# Allegro board S071AA-0413-20260427_Power.brd (continued)
## Routing (per net, layer and track width the routed paths; a pad name or vN(x,y) marks a point on that pad's centre or on a via; arc(x,y) is an arc through that point) (continued)
164.56,373.38 ; D115.A16 166.18,373.38 ; D115.A16 165.37,372.57 ; D109.A9 257.62,335.28 ; D109.A9 256.81,336.09 ; D109.A9 256.81,334.47 ; D109.A9 256,335.28 ; D104.A3 168.72,33.02 ; D104.A3 167.1,33.02 ; D104.A3 167.91,32.21 ; D104.A3 167.91,33.83 ; CSDPS425.B2 127.27,343.71 ; CSDPS425.B2 128.08,342.9 ; CSDPS425.B2 127.27,342.09 ; CSDPS425.B2 126.46,342.9 ; UHC430.G1_10 16.54,360.2 ; UHC430.G1_10 15.73,361.01 ; UHC430.G1_10 14.92,360.2 ; UHC430.G1_10 15.73,359.39 ; 129.81,400.51 D428.B1 ; D428.B1 129.81,402.13 ; D428.B1 129,401.32 ; D428.B1 130.62,401.32 ; 101.06,388.62 D228.B12 ; D228.B12 101.87,389.43 ; D228.B12 101.87,387.81 ; D228.B12 102.68,388.62 ; 35.83,57.61 D119.B9 ; D119.B9 35.83,59.23 ; D119.B9 35.02,58.42 ; D119.B9 36.64,58.42 ; D432.A14 23.13,404.67 ; D432.A14 23.94,403.86 ; D432.A14 23.13,403.05 ; D432.A14 22.32,403.86 ; 189.96,35.56 D104.A12 ; D104.A12 190.77,34.75 ; D104.A12 190.77,36.37 ; D104.A12 191.58,35.56 ; D106.B14 270.32,81.28 ; D106.B14 268.7,81.28 ; D106.B14 269.51,80.47 ; D106.B14 269.51,82.09 ; D110.A4 269.51,353.87 ; D110.A4 270.32,353.06 ; D110.A4 268.7,353.06 ; D110.A4 269.51,352.25 ; 164.56,327.66 D113.B16 ; D113.B16 166.18,327.66 ; D113.B16 165.37,328.47 ; D113.B16 165.37,326.85 ; 256,370.84 D111.B9 ; D111.B9 256.81,370.03 ; D111.B9 256.81,371.65 ; D111.B9 257.62,370.84 ; 23.13,387.81 D232.B14 ; D232.B14 23.13,389.43 ; D232.B14 22.32,388.62 ; D232.B14 23.94,388.62 ; 112.03,342.09 CSDPS425.B8 ; CSDPS425.B8 112.84,342.9 ; CSDPS425.B8 111.22,342.9 ; CSDPS425.B8 112.03,343.71 ; D101.A2 166.18,96.52 ; D101.A2 164.56,96.52 ; D101.A2 165.37,95.71 ; D101.A2 165.37,97.33 ; 195.85,326.85 D113.B4 ; D113.B4 196.66,327.66 ; D113.B4 195.85,328.47 ; D113.B4 195.04,327.66 ; D427.B11 105.22,381 ; D427.B11 104.41,380.19 ; D427.B11 104.41,381.81 ; D427.B11 103.6,381 ; D428.B2 128.08,398.78 ; D428.B2 126.46,398.78 ; D428.B2 127.27,397.97 ; D428.B2 127.27,399.59 ; 254.27,347.17 D110.B10 ; D110.B10 255.08,347.98 ; D110.B10 254.27,348.79 ; D110.B10 253.46,347.98 ; D124.A7 104.41,33.83 ; D124.A7 103.6,33.02 ; D124.A7 104.41,32.21 ; D124.A7 105.22,33.02 ; 264.43,34.75 D108.A12 ; D108.A12 263.62,35.56 ; D108.A12 264.43,36.37 ; D108.A12 265.24,35.56 ; 118.84,350.52 CSDPS226.C5 ; CSDPS226.C5 119.65,351.33 ; CSDPS226.C5 120.46,350.52 ; CSDPS226.C5 119.65,349.71 ; 272.05,18.24 DPS1.C15 ; DPS1.C15 272.86,19.05 ; DPS1.C15 271.24,19.05 ; DPS1.C15 272.05,19.86 ; 94.25,390.35 D228.B15 ; D228.B15 94.25,391.97 ; D228.B15 93.44,391.16 ; D228.B15 95.06,391.16 ; 114.57,380.19 D427.B7 ; D427.B7 115.38,381 ; D427.B7 113.76,381 ; D427.B7 114.57,381.81 ; 195.04,353.06 D114.A4 ; D114.A4 195.85,352.25 ; D114.A4 196.66,353.06 ; D114.A4 195.85,353.87 ; D104.B1 162.83,38.91 ; D104.B1 162.02,38.1 ; D104.B1 163.64,38.1 ; D104.B1 162.83,37.29 ; D111.A7 262.7,375.92 ; D111.A7 261.89,376.73 ; D111.A7 261.89,375.11 ; D111.A7 261.08,375.92 ; 124.73,98.25 D121.B15 ; D121.B15 124.73,99.87 ; D121.B15 123.92,99.06 ; D121.B15 125.54,99.06 ; D120.A5 26.48,33.02 ; D120.A5 25.67,32.21 ; D120.A5 25.67,33.83 ; D120.A5 24.86,33.02 ; 20.59,409.4 DPS8.C15 ; DPS8.C15 19.78,410.21 ; DPS8.C15 20.59,411.02 ; DPS8.C15 21.4,410.21 ; 117.11,331.93 CSDPS225.B6 ; CSDPS225.B6 117.92,332.74 ; CSDPS225.B6 116.3,332.74 ; CSDPS225.B6 117.11,333.55 ; D427.A14 96.79,384.35 ; D427.A14 95.98,383.54 ; D427.A14 96.79,382.73 ; D427.A14 97.6,383.54 ; D115.B1 203.47,371.65 ; D115.B1 202.66,370.84 ; D115.B1 204.28,370.84 ; D115.B1 203.47,370.03 ; 259.35,387.81 D112.B8 ; D112.B8 259.35,389.43 ; D112.B8 258.54,388.62 ; D112.B8 260.16,388.62 ; 48.17,358.45 UHC430.G2_11 ; UHC430.G2_11 49.79,358.45 ; UHC430.G2_11 48.98,357.64 ; UHC430.G2_11 48.98,359.26 ; D102.A7 178.07,74.47 ; D102.A7 178.07,72.85 ; D102.A7 177.26,73.66 ; D102.A7 178.88,73.66 ; 52.8,81.28 D118.B16 ; D118.B16 53.61,82.09 ; D118.B16 53.61,80.47 ; D118.B16 54.42,81.28 ; D104.B9 183.15,38.91 ; D104.B9 183.96,38.1 ; D104.B9 183.15,37.29 ; D104.B9 182.34,38.1 ; D104.B8 180.61,41.45 ; D104.B8 180.61,39.83 ; D104.B8 181.42,40.64 ; D104.B8 179.8,40.64 ; 172.18,73.66 D102.A5 ; D102.A5 173.8,73.66 ; D102.A5 172.99,74.47 ; D102.A5 172.99,72.85 ; D107.B1 237.3,58.42 ; D107.B1 236.49,59.23 ; D107.B1 235.68,58.42 ; D107.B1 236.49,57.61 ; 185.69,331.93 D113.A8 ; D113.A8 184.88,332.74 ; D113.A8 185.69,333.55 ; D113.A8 186.5,332.74 ; 53.61,60.15 D119.B16 ; D119.B16 54.42,60.96 ; D119.B16 52.8,60.96 ; D119.B16 53.61,61.77 ; 43.45,80.47 D118.B12 ; D118.B12 43.45,82.09 ; D118.B12 44.26,81.28 ; D118.B12 42.64,81.28 ; D119.A14 48.53,56.69 ; D119.A14 48.53,55.07 ; D119.A14 47.72,55.88 ; D119.A14 49.34,55.88 ; 28.21,377.65 D431.B12 ; D431.B12 27.4,378.46 ; D431.B12 29.02,378.46 ; D431.B12 28.21,379.27 ; D122.B14 123,81.28 ; D122.B14 122.19,82.09 ; D122.B14 121.38,81.28 ; D122.B14 122.19,80.47 ; D116.B1 203.47,391.97 ; D116.B1 202.66,391.16 ; D116.B1 204.28,391.16 ; D116.B1 203.47,390.35 ; D431.B14 23.13,379.27 ; D431.B14 22.32,378.46 ; D431.B14 23.94,378.46 ; D431.B14 23.13,377.65 ; 264.43,387.81 D112.B6 ; D112.B6 263.62,388.62 ; D112.B6 265.24,388.62 ; D112.B6 264.43,389.43 ; 185.69,34.75 D104.A10 ; D104.A10 184.88,35.56 ; D104.A10 185.69,36.37 ; D104.A10 186.5,35.56 ; D122.B12 117.11,82.09 ; D122.B12 117.92,81.28 ; D122.B12 116.3,81.28 ; D122.B12 117.11,80.47 ; D120.A13 45.99,33.83 ; D120.A13 46.8,33.02 ; D120.A13 45.99,32.21 ; D120.A13 45.18,33.02 ; D104.B11 189.04,38.1 ; D104.B11 188.23,37.29 ; D104.B11 188.23,38.91 ; D104.B11 187.42,38.1 ; D232.A17 15.51,397.05 ; D232.A17 14.7,396.24 ; D232.A17 15.51,395.43 ; D232.A17 16.32,396.24 ; D123.A3 95.06,53.34 ; D123.A3 93.44,53.34 ; D123.A3 94.25,54.15 ; D123.A3 94.25,52.53 ; 165.37,34.75 D104.A2 ; D104.A2 166.18,35.56 ; D104.A2 165.37,36.37 ; D104.A2 164.56,35.56 ; D431.A16 18.05,384.35 ; D431.A16 18.05,382.73 ; D431.A16 17.24,383.54 ; D431.A16 18.86,383.54 ; D112.B11 252.54,391.16 ; D112.B11 251.73,391.97 ; D112.B11 250.92,391.16 ; D112.B11 251.73,390.35 ; 94.25,57.61 D123.B3 ; D123.B3 93.44,58.42 ; D123.B3 94.25,59.23 ; D123.B3 95.06,58.42 ; 106.95,392.89 D228.A10 ; D228.A10 107.76,393.7 ; D228.A10 106.95,394.51 ; D228.A10 106.14,393.7 ; D121.B1 89.17,99.87 ; D121.B1 88.36,99.06 ; D121.B1 89.17,98.25 ; D121.B1 89.98,99.06 ; 116.3,368.3 D227.B6 ; D227.B6 117.11,367.49 ; D227.B6 117.11,369.11 ; D227.B6 117.92,368.3 ; 167.91,390.35 D116.B15 ; D116.B15 167.91,391.97 ; D116.B15 168.72,391.16 ; D116.B15 167.1,391.16 ; D111.B15 241.57,371.65 ; D111.B15 240.76,370.84 ; D111.B15 241.57,370.03 ; D111.B15 242.38,370.84 ; DPS1.A15 272.05,14.78 ; DPS1.A15 272.86,13.97 ; DPS1.A15 272.05,13.16 ; DPS1.A15 271.24,13.97 ; 20.59,375.11 D231.A15 ; D231.A15 19.78,375.92 ; D231.A15 21.4,375.92 ; D231.A15 20.59,376.73 ; 172.99,395.43 D116.A13 ; D116.A13 172.18,396.24 ; D116.A13 172.99,397.05 ; D116.A13 173.8,396.24 ; 119.65,405.59 D428.A5 ; D428.A5 120.46,406.4 ; D428.A5 119.65,407.21 ; D428.A5 118.84,406.4 ; 266.97,395.43 D112.A5 ; D112.A5 266.16,396.24 ; D112.A5 266.97,397.05 ; D112.A5 267.78,396.24 ; D124.A5 99.33,33.83 ; D124.A5 100.14,33.02 ; D124.A5 99.33,32.21 ; D124.A5 98.52,33.02 ; D228.B4 123,388.62 ; D228.B4 122.19,389.43 ; D228.B4 122.19,387.81 ; D228.B4 121.38,388.62 ; D112.B10 254.27,389.43 ; D112.B10 253.46,388.62 ; D112.B10 255.08,388.62 ; D112.B10 254.27,387.81 ; D231.B12 28.21,369.11 ; D231.B12 27.4,368.3 ; D231.B12 29.02,368.3 ; D231.B12 28.21,367.49 ; 114.57,400.51 D428.B7 ; D428.B7 114.57,402.13 ; D428.B7 113.76,401.32 ; D428.B7 115.38,401.32 ; 200.93,60.15 D103.B16 ; D103.B16 201.74,60.96 ; D103.B16 200.12,60.96 ; D103.B16 200.93,61.77 ; CSDPS425.C7 115.38,340.36 ; CSDPS425.C7 113.76,340.36 ; CSDPS425.C7 114.57,339.55 ; CSDPS425.C7 114.57,341.17 ; D109.B16 239.03,328.47 ; D109.B16 239.84,327.66 ; D109.B16 238.22,327.66 ; D109.B16 239.03,326.85 ; DPS3.B11 114.57,17.32 ; DPS3.B11 115.38,16.51 ; DPS3.B11 114.57,15.7 ; DPS3.B11 113.76,16.51 ; D110.B3 272.05,351.33 ; D110.B3 271.24,350.52 ; D110.B3 272.86,350.52 ; D110.B3 272.05,349.71 ; 112.03,34.75 D124.A10 ; D124.A10 112.03,36.37 ; D124.A10 112.84,35.56 ; D124.A10 111.22,35.56 ; 108.68,401.32 D428.B9 ; D428.B9 110.3,401.32 ; D428.B9 109.49,402.13 ; D428.B9 109.49,400.51 ; 127.27,382.73 D427.A2 ; D427.A2 127.27,384.35 ; D427.A2 126.46,383.54 ; D427.A2 128.08,383.54 ; D122.B6 102.68,81.28 ; D122.B6 101.87,80.47 ; D122.B6 101.06,81.28 ; D122.B6 101.87,82.09 ; D232.A14 23.94,393.7 ; D232.A14 23.13,392.89 ; D232.A14 23.13,394.51 ; D232.A14 22.32,393.7 ; 111.22,378.46 D427.B8 ; D427.B8 112.84,378.46 ; D427.B8 112.03,379.27 ; D427.B8 112.03,377.65 ; 47.72,403.86 D432.A4 ; D432.A4 49.34,403.86 ; D432.A4 48.53,404.67 ; D432.A4 48.53,403.05 ; 101.06,101.6 D121.B6 ; D121.B6 101.87,102.41 ; D121.B6 101.87,100.79 ; D121.B6 102.68,101.6 ; D115.A5 194.12,375.92 ; D115.A5 193.31,375.11 ; D115.A5 193.31,376.73 ; D115.A5 192.5,375.92 ; 263.62,96.52 D105.A12 ; D105.A12 265.24,96.52 ; D105.A12 264.43,95.71 ; D105.A12 264.43,97.33 ; 17.22,353.54 UHC230.G4_4 ; UHC230.G4_4 18.84,353.54 ; UHC230.G4_4 18.03,354.35 ; UHC230.G4_4 18.03,352.73 ; D103.B12 191.58,60.96 ; D103.B12 190.77,61.77 ; D103.B12 190.77,60.15 ; D103.B12 189.96,60.96 ; 33.29,342.09 CSDPS429.B10 ; CSDPS429.B10 32.48,342.9 ; CSDPS429.B10 33.29,343.71 ; CSDPS429.B10 34.1,342.9 ; D108.A7 251.73,33.83 ; D108.A7 251.73,32.21 ; D108.A7 252.54,33.02 ; D108.A7 250.92,33.02 ; DPS3.A15 124.73,14.78 ; DPS3.A15 124.73,13.16 ; DPS3.A15 123.92,13.97 ; DPS3.A15 125.54,13.97 ; D227.A4 123,373.38 ; D227.A4 121.38,373.38 ; D227.A4 122.19,372.57 ; D227.A4 122.19,374.19 ; D231.B3 51.88,370.84 ; D231.B3 50.26,370.84 ; D231.B3 51.07,370.03 ; D231.B3 51.07,371.65 ; 40.1,53.34 D119.A11 ; D119.A11 40.91,54.15 ; D119.A11 41.72,53.34 ; D119.A11 40.91,52.53 ; 266.97,375.11 D111.A5 ; D111.A5 267.78,375.92 ; D111.A5 266.97,376.73 ; D111.A5 266.16,375.92 ; 261.08,58.42 D107.B11 ; D107.B11 261.89,57.61 ; D107.B11 262.7,58.42 ; D107.B11 261.89,59.23 ; UHC230.G4_8 15.39,351.79 ; UHC230.G4_8 14.58,352.6 ; UHC230.G4_8 13.77,351.79 ; UHC230.G4_8 14.58,350.98 ; D107.A11 261.89,54.15 ; D107.A11 262.7,53.34 ; D107.A11 261.89,52.53 ; D107.A11 261.08,53.34 ; 114.57,32.21 D124.A11 ; D124.A11 114.57,33.83 ; D124.A11 115.38,33.02 ; D124.A11 113.76,33.02 ; D105.A10 260.16,96.52 ; D105.A10 258.54,96.52 ; D105.A10 259.35,97.33 ; D105.A10 259.35,95.71 ; 251.73,329.39 D109.B11 ; D109.B11 250.92,330.2 ; D109.B11 251.73,331.01 ; D109.B11 252.54,330.2 ; 45.87,355.29 UHC230.G3_2 ; UHC230.G3_2 47.49,355.29 ; UHC230.G3_2 46.68,356.1 ; UHC230.G3_2 46.68,354.48 ; 20.59,414.48 DPS8.A15 ; DPS8.A15 21.4,415.29 ; DPS8.A15 20.59,416.1 ; DPS8.A15 19.78,415.29 ; 43.45,55.07 D119.A12 ; D119.A12 42.64,55.88 ; D119.A12 44.26,55.88 ; D119.A12 43.45,56.69 ; 271.24,335.28 D109.A3 ; D109.A3 272.05,336.09 ; D109.A3 272.05,334.47 ; D109.A3 272.86,335.28 ; D119.A10 38.37,56.69 ; D119.A10 39.18,55.88 ; D119.A10 37.56,55.88 ; D119.A10 38.37,55.07 ; 117.11,377.65 D427.B6 ; D427.B6 116.3,378.46 ; D427.B6 117.11,379.27 ; D427.B6 117.92,378.46 ; 15.51,390.35 D232.B17 ; D232.B17 16.32,391.16 ; D232.B17 15.51,391.97 ; D232.B17 14.7,391.16 ; 261.08,73.66 D106.A11 ; D106.A11 262.7,73.66 ; D106.A11 261.89,72.85 ; D106.A11 261.89,74.47 ; D109.A2 274.59,333.55 ; D109.A2 274.59,331.93 ; D109.A2 275.4,332.74 ; D109.A2 273.78,332.74 ; 38.37,39.83 D120.B10 ; D120.B10 39.18,40.64 ; D120.B10 37.56,40.64 ; D120.B10 38.37,41.45 ; 109.49,77.93 D122.B9 ; D122.B9 109.49,79.55 ; D122.B9 110.3,78.74 ; D122.B9 108.68,78.74 ; D105.A7 251.73,94.79 ; D105.A7 250.92,93.98 ; D105.A7 251.73,93.17 ; D105.A7 252.54,93.98 ; 273.78,327.66 D109.B2 ; D109.B2 275.4,327.66 ; D109.B2 274.59,328.47 ; D109.B2 274.59,326.85 ; 106.95,34.75 D124.A8 ; D124.A8 107.76,35.56 ; D124.A8 106.95,36.37 ; D124.A8 106.14,35.56 ; D112.A9 257.62,396.24 ; D112.A9 256.81,395.43 ; D112.A9 256,396.24 ; D112.A9 256.81,397.05 ; 244.11,55.07 D107.A4 ; D107.A4 243.3,55.88 ; D107.A4 244.11,56.69 ; D107.A4 244.92,55.88 ; D432.A8 39.18,403.86 ; D432.A8 38.37,403.05 ; D432.A8 37.56,403.86 ; D432.A8 38.37,404.67 ; 243.3,353.06 D110.A14 ; D110.A14 244.11,353.87 ; D110.A14 244.92,353.06 ; D110.A14 244.11,352.25 ; DPS3.C01 89.17,19.86 ; DPS3.C01 89.98,19.05 ; DPS3.C01 89.17,18.24 ; DPS3.C01 88.36,19.05 ; 38.37,367.49 D231.B8 ; D231.B8 37.56,368.3 ; D231.B8 39.18,368.3 ; D231.B8 38.37,369.11 ; D106.B5 246.65,79.55 ; D106.B5 245.84,78.74 ; D106.B5 247.46,78.74 ; D106.B5 246.65,77.93 ; D124.A3 94.25,33.83 ; D124.A3 93.44,33.02 ; D124.A3 94.25,32.21 ; D124.A3 95.06,33.02 ; 172.99,93.17 D101.A5 ; D101.A5 172.18,93.98 ; D101.A5 172.99,94.79 ; D101.A5 173.8,93.98 ; D428.A12 102.68,403.86 ; D428.A12 101.87,404.67 ; D428.A12 101.87,403.05 ; D428.A12 101.06,403.86 ; 177.26,335.28 D113.A11 ; D113.A11 178.07,334.47 ; D113.A11 178.88,335.28 ; D113.A11 178.07,336.09 ; CSDPS229.C7 41.72,330.2 ; CSDPS229.C7 40.91,331.01 ; CSDPS229.C7 40.1,330.2 ; CSDPS229.C7 40.91,329.39 ; 203.47,329.39 D113.B1 ; D113.B1 203.47,331.01 ; D113.B1 202.66,330.2 ; D113.B1 204.28,330.2 ; D112.A16 239.84,393.7 ; D112.A16 239.03,392.89 ; D112.A16 238.22,393.7 ; D112.A16 239.03,394.51 ; D124.A15 124.73,33.83 ; D124.A15 124.73,32.21 ; D124.A15 123.92,33.02 ; D124.A15 125.54,33.02 ; UHC230.G3_9 48.64,350.04 ; UHC230.G3_9 47.02,350.04 ; UHC230.G3_9 47.83,349.23 ; UHC230.G3_9 47.83,350.85 ; 188.23,354.79 D114.A7 ; D114.A7 187.42,355.6 ; D114.A7 188.23,356.41 ; D114.A7 189.04,355.6 ; D124.A1 89.17,33.83 ; D124.A1 88.36,33.02 ; D124.A1 89.17,32.21 ; D124.A1 89.98,33.02 ; 172.99,57.61 D103.B5 ; D103.B5 172.99,59.23 ; D103.B5 173.8,58.42 ; D103.B5 172.18,58.42 ; D121.B8 107.76,101.6 ; D121.B8 106.95,100.79 ; D121.B8 106.14,101.6 ; D121.B8 106.95,102.41 ; D119.B4 23.94,60.96 ; D119.B4 22.32,60.96 ; D119.B4 23.13,61.77 ; D119.B4 23.13,60.15 ; 113.76,396.24 D228.A7 ; D228.A7 114.57,395.43 ; D228.A7 115.38,396.24 ; D228.A7 114.57,397.05 ; 167.1,58.42 D103.B3 ; D103.B3 167.91,59.23 ; D103.B3 167.91,57.61 ; D103.B3 168.72,58.42 ; 178.07,370.03 D115.B11 ; D115.B11 177.26,370.84 ; D115.B11 178.88,370.84 ; D115.B11 178.07,371.65 ; KS4.6 54.47,156.72 ; KS4.6 53.36,155.6 ; KS4.6 52.24,156.72 ; KS4.6 53.36,157.84 ; 121.38,403.86 D428.A4 ; D428.A4 122.19,403.05 ; D428.A4 122.19,404.67 ; D428.A4 123,403.86 ; D105.A13 267.78,93.98 ; D105.A13 266.97,94.79 ; D105.A13 266.97,93.17 ; D105.A13 266.16,93.98 ; D118.A5 26.48,73.66 ; D118.A5 24.86,73.66 ; D118.A5 25.67,72.85 ; D118.A5 25.67,74.47 ; D107.B12 264.43,61.77 ; D107.B12 264.43,60.15 ; D107.B12 265.24,60.96 ; D107.B12 263.62,60.96 ; 46.68,347.48 UHC230.G3_12 ; UHC230.G3_12 45.87,348.29 ; UHC230.G3_12 47.49,348.29 ; UHC230.G3_12 46.68,349.1 ; D114.A16 166.18,353.06 ; D114.A16 164.56,353.06 ; D114.A16 165.37,352.25 ; D114.A16 165.37,353.87 ; 108.68,386.08 D427.A9 ; D427.A9 110.3,386.08 ; D427.A9 109.49,385.27 ; D427.A9 109.49,386.89 ; D231.A4 48.53,374.19 ; D231.A4 47.72,373.38 ; D231.A4 48.53,372.57 ; D231.A4 49.34,373.38 ; D120.B12 44.26,40.64 ; D120.B12 43.45,39.83 ; D120.B12 42.64,40.64 ; D120.B12 43.45,41.45 ; 42.64,403.86 D432.A6 ; D432.A6 44.26,403.86 ; D432.A6 43.45,403.05 ; D432.A6 43.45,404.67 ; D103.B7 178.07,59.23 ; D103.B7 177.26,58.42 ; D103.B7 178.07,57.61 ; D103.B7 178.88,58.42 ; D427.B4 123,378.46 ; D427.B4 121.38,378.46 ; D427.B4 122.19,377.65 ; D427.B4 122.19,379.27 ; D122.B8 106.95,82.09 ; D122.B8 106.14,81.28 ; D122.B8 107.76,81.28 ; D122.B8 106.95,80.47 ; D115.A12 176.34,373.38 ; D115.A12 174.72,373.38 ; D115.A12 175.53,372.57 ; D115.A12 175.53,374.19 ; D106.A16 274.59,77.01 ; D106.A16 273.78,76.2 ; D106.A16 275.4,76.2 ; D106.A16 274.59,75.39 ; 121.38,55.88 D123.A14 ; D123.A14 123,55.88 ; D123.A14 122.19,56.69 ; D123.A14 122.19,55.07 ; 246.65,334.47 D109.A13 ; D109.A13 245.84,335.28 ; D109.A13 247.46,335.28 ; D109.A13 246.65,336.09 ; D106.B7 252.54,78.74 ; D106.B7 250.92,78.74 ; D106.B7 251.73,77.93 ; D106.B7 251.73,79.55 ; DPS1.B01 236.49,17.32 ; DPS1.B01 235.68,16.51 ; DPS1.B01 237.3,16.51 ; DPS1.B01 236.49,15.7 ; D113.A10 180.61,333.55 ; D113.A10 180.61,331.93 ; D113.A10 179.8,332.74 ; D113.A10 181.42,332.74 ; D117.A13 45.99,94.79 ; D117.A13 46.8,93.98 ; D117.A13 45.18,93.98 ; D117.A13 45.99,93.17 ; D118.A8 34.1,76.2 ; D118.A8 32.48,76.2 ; D118.A8 33.29,77.01 ; D118.A8 33.29,75.39 ; 19.18,350.98 UHC230.G4_6 ; UHC230.G4_6 19.18,352.6 ; UHC230.G4_6 19.99,351.79 ; UHC230.G4_6 18.37,351.79 ; D232.B5 46.8,391.16 ; D232.B5 45.18,391.16 ; D232.B5 45.99,390.35 ; D232.B5 45.99,391.97 ; 167.1,53.34 D103.A3 ; D103.A3 168.72,53.34 ; D103.A3 167.91,52.53 ; D103.A3 167.91,54.15 ; 185.69,100.79 D101.B10 ; D101.B10 185.69,102.41 ; D101.B10 184.88,101.6 ; D101.B10 186.5,101.6 ; D428.A16 92.52,403.86 ; D428.A16 91.71,403.05 ; D428.A16 91.71,404.67 ; D428.A16 90.9,403.86 ; D124.B7 104.41,38.91 ; D124.B7 103.6,38.1 ; D124.B7 104.41,37.29 ; D124.B7 105.22,38.1 ; D118.A4 23.94,76.2 ; D118.A4 22.32,76.2 ; D118.A4 23.13,77.01 ; D118.A4 23.13,75.39 ; 89.17,13.16 DPS3.A01 ; DPS3.A01 89.17,14.78 ; DPS3.A01 88.36,13.97 ; DPS3.A01 89.98,13.97 ; D227.A7 114.57,376.73 ; D227.A7 114.57,375.11 ; D227.A7 113.76,375.92 ; D227.A7 115.38,375.92 ; D107.A5 247.46,53.34 ; D107.A5 246.65,54.15 ; D107.A5 246.65,52.53 ; D107.A5 245.84,53.34 ; D228.A16 92.52,393.7 ; D228.A16 91.71,392.89 ; D228.A16 91.71,394.51 ; D228.A16 90.9,393.7 ; CSDPS426.B10 106.95,364.03 ; CSDPS426.B10 107.76,363.22 ; CSDPS426.B10 106.95,362.41 ; CSDPS426.B10 106.14,363.22 ; 19.78,391.16 D232.B15 ; D232.B15 20.59,390.35 ; D232.B15 20.59,391.97 ; D232.B15 21.4,391.16 ; 52.8,383.54 D431.A2 ; D431.A2 53.61,384.35 ; D431.A2 53.61,382.73 ; D431.A2 54.42,383.54 ; 189.96,353.06 D114.A6 ; D114.A6 190.77,352.25 ; D114.A6 190.77,353.87 ; D114.A6 191.58,353.06 ; 93.44,93.98 D121.A3 ; D121.A3 94.25,94.79 ; D121.A3 95.06,93.98 ; D121.A3 94.25,93.17 ; D106.A14 270.32,76.2 ; D106.A14 268.7,76.2 ; D106.A14 269.51,77.01 ; D106.A14 269.51,75.39 ; 118.84,53.34 D123.A13 ; D123.A13 120.46,53.34 ; D123.A13 119.65,52.53 ; D123.A13 119.65,54.15 ; 45.87,358.45 UHC430.G2_12 ; UHC430.G2_12 46.68,359.26 ; UHC430.G2_12 46.68,357.64 ; UHC430.G2_12 47.49,358.45 ; D123.B13 120.46,58.42 ; D123.B13 118.84,58.42 ; D123.B13 119.65,59.23 ; D123.B13 119.65,57.61 ; D428.A8 112.84,403.86 ; D428.A8 111.22,403.86 ; D428.A8 112.03,403.05 ; D428.A8 112.03,404.67 ; CSDPS429.C7 40.91,341.17 ; CSDPS429.C7 41.72,340.36 ; CSDPS429.C7 40.91,339.55 ; CSDPS429.C7 40.1,340.36 ; 117.11,387.81 D228.B6 ; D228.B6 117.11,389.43 ; D228.B6 116.3,388.62 ; D228.B6 117.92,388.62 ; 32.48,40.64 D120.B8 ; D120.B8 34.1,40.64 ; D120.B8 33.29,41.45 ; D120.B8 33.29,39.83 ; D231.B10 34.1,368.3 ; D231.B10 33.29,369.11 ; D231.B10 33.29,367.49 ; D231.B10 32.48,368.3 ; 94.25,98.25 D121.B3 ; D121.B3 94.25,99.87 ; D121.B3 95.06,99.06 ; D121.B3 93.44,99.06 ; D428.A14 96.79,404.67 ; D428.A14 96.79,403.05 ; D428.A14 95.98,403.86 ; D428.A14 97.6,403.86 ; 127.27,377.65 D427.B2 ; D427.B2 128.08,378.46 ; D427.B2 127.27,379.27 ; D427.B2 126.46,378.46 ; 103.6,401.32 D428.B11 ; D428.B11 104.41,402.13 ; D428.B11 104.41,400.51 ; D428.B11 105.22,401.32 ; D232.A5 46.8,396.24 ; D232.A5 45.99,397.05 ; D232.A5 45.99,395.43 ; D232.A5 45.18,396.24 ; 45.99,98.25 D117.B13 ; D117.B13 45.18,99.06 ; D117.B13 45.99,99.87 ; D118.B8 33.29,82.09 ; D118.B8 34.1,81.28 ; D118.B8 33.29,80.47 ; D118.B8 32.48,81.28 ; 98.52,375.92 D227.A13 ; D227.A13 99.33,376.73 ; D227.A13 100.14,375.92 ; D227.A13 99.33,375.11 ; 182.34,330.2 D113.B9 ; D113.B9 183.96,330.2 ; D113.B9 183.15,331.01 ; D113.B9 183.15,329.39 ; D123.B6 101.87,61.77 ; D123.B6 101.06,60.96 ; D123.B6 101.87,60.15 ; D123.B6 102.68,60.96 ; D107.B5 246.65,59.23 ; D107.B5 247.46,58.42 ; D107.B5 245.84,58.42 ; D107.B5 246.65,57.61 ; 273.78,101.6 D105.B16 ; D105.B16 274.59,100.79 ; D105.B16 274.59,102.41 ; D105.B16 275.4,101.6 ; D119.A16 54.42,55.88 ; D119.A16 52.8,55.88 ; D119.A16 53.61,56.69 ; D119.A16 53.61,55.07 ; D102.A1 163.64,73.66 ; D102.A1 162.83,74.47 ; D102.A1 162.83,72.85 ; D102.A1 162.02,73.66 ; 241.57,93.17 D105.A3 ; D105.A3 240.76,93.98 ; D105.A3 242.38,93.98 ; D105.A3 241.57,94.79 ; 187.42,53.34 D103.A11 ; D103.A11 188.23,52.53 ; D103.A11 188.23,54.15 ; D103.A11 189.04,53.34 ; D124.A4 97.6,35.56 ; D124.A4 96.79,36.37 ; D124.A4 96.79,34.75 ; D124.A4 95.98,35.56 ; 164.56,101.6 D101.B2 ; D101.B2 165.37,102.41 ; D101.B2 165.37,100.79 ; D101.B2 166.18,101.6 ; D109.A16 239.03,333.55 ; D109.A16 238.22,332.74 ; D109.A16 239.03,331.93 ; D109.A16 239.84,332.74 ; D116.A2 201.74,393.7 ; D116.A2 200.12,393.7 ; D116.A2 200.93,394.51 ; D116.A2 200.93,392.89 ; CSDPS426.C9 109.49,361.49 ; CSDPS426.C9 108.68,360.68 ; CSDPS426.C9 109.49,359.87 ; CSDPS426.C9 110.3,360.68 ; 179.8,60.96 D103.B8 ; D103.B8 180.61,60.15 ; D103.B8 180.61,61.77 ; D103.B8 181.42,60.96 ; 200.12,368.3 D115.B2 ; D115.B2 201.74,368.3 ; D115.B2 200.93,367.49 ; D115.B2 200.93,369.11 ; 50.26,340.36 CSDPS429.C3 ; CSDPS429.C3 51.88,340.36 ; CSDPS429.C3 51.07,339.55 ; CSDPS429.C3 51.07,341.17 ; 55.34,340.36 CSDPS429.C1 ; CSDPS429.C1 56.96,340.36 ; CSDPS429.C1 56.15,341.17 ; CSDPS429.C1 56.15,339.55 ; 101.06,332.74 CSDPS225.B12 ; CSDPS225.B12 101.87,331.93 ; CSDPS225.B12 101.87,333.55 ; CSDPS225.B12 102.68,332.74 ; 101.06,363.22 CSDPS426.B12 ; CSDPS426.B12 101.87,362.41 ; CSDPS426.B12 102.68,363.22 ; CSDPS426.B12 101.87,364.03 ; D118.B14 49.34,81.28 ; D118.B14 48.53,82.09 ; D118.B14 48.53,80.47 ; D118.B14 47.72,81.28 ; 39.54,156.72 KS4.7 ; KS4.7 41.77,156.72 ; KS4.7 40.66,157.84 ; KS4.7 40.66,155.6 ; D116.A12 176.34,393.7 ; D116.A12 174.72,393.7 ; D116.A12 175.53,394.51 ; D116.A12 175.53,392.89 ; 89.17,395.43 D228.A17 ; D228.A17 89.98,396.24 ; D228.A17 89.17,397.05 ; D228.A17 88.36,396.24 ; 246.65,98.25 D105.B5 ; D105.B5 245.84,99.06 ; D105.B5 247.46,99.06 ; D105.B5 246.65,99.87 ; D119.A9 35.83,54.15 ; D119.A9 35.83,52.53 ; D119.A9 36.64,53.34 ; D119.A9 35.02,53.34 ; 167.91,329.39 D113.B15 ; D113.B15 167.1,330.2 ; D113.B15 167.91,331.01 ; D113.B15 168.72,330.2 ; 23.13,372.57 D231.A14 ; D231.A14 23.94,373.38 ; D231.A14 23.13,374.19 ; D231.A14 22.32,373.38 ; D101.B1 163.64,99.06 ; D101.B1 162.83,99.87 ; D101.B1 162.83,98.25 ; 90.9,81.28 D122.B2 ; D122.B2 91.71,80.47 ; D122.B2 91.71,82.09 ; D122.B2 92.52,81.28 ; 14.7,386.08 D431.A17 ; D431.A17 15.51,385.27 ; D431.A17 16.32,386.08 ; D431.A17 15.51,386.89 ; 180.61,100.79 D101.B8 ; D101.B8 179.8,101.6 ; D101.B8 180.61,102.41 ; D101.B8 181.42,101.6 ; D108.A3 241.57,33.83 ; D108.A3 240.76,33.02 ; D108.A3 241.57,32.21 ; D108.A3 242.38,33.02 ; D228.A15 94.25,397.05 ; D228.A15 94.25,395.43 ; D228.A15 93.44,396.24 ; D228.A15 95.06,396.24 ; 94.25,329.39 CSDPS225.C15 ; CSDPS225.C15 95.06,330.2 ; CSDPS225.C15 94.25,331.01 ; CSDPS225.C15 93.44,330.2 ; 127.27,80.47 D122.B16 ; D122.B16 127.27,82.09 ; D122.B16 126.46,81.28 ; D122.B16 128.08,81.28 ; D232.A3 51.88,396.24 ; D232.A3 50.26,396.24 ; D232.A3 51.07,397.05 ; D232.A3 51.07,395.43 ; 126.46,101.6 D121.B16 ; D121.B16 128.08,101.6 ; D121.B16 127.27,102.41 ; D121.B16 127.27,100.79 ; D123.A7 105.22,53.34 ; D123.A7 104.41,52.53 ; D123.A7 103.6,53.34 ; D123.A7 104.41,54.15 ; D427.B14 96.79,379.27 ; D427.B14 97.6,378.46 ; D427.B14 96.79,377.65 ; D427.B14 95.98,378.46 ; 98.52,93.98 D121.A5 ; D121.A5 99.33,93.17 ; D121.A5 99.33,94.79 ; D121.A5 100.14,93.98 ; D107.B9 257.62,58.42 ; D107.B9 256.81,59.23 ; D107.B9 256.81,57.61 ; D107.B9 256,58.42 ; D118.A2 18.86,76.2 ; D118.A2 17.24,76.2 ; D118.A2 18.05,75.39 ; D118.A2 18.05,77.01 ; D232.A16 18.05,394.51 ; D232.A16 18.86,393.7 ; D232.A16 18.05,392.89 ; D232.A16 17.24,393.7 ; D112.A11 251.73,397.05 ; D112.A11 252.54,396.24 ; D112.A11 251.73,395.43 ; D112.A11 250.92,396.24 ; D228.A4 123,393.7 ; D228.A4 122.19,394.51 ; D228.A4 122.19,392.89 ; D228.A4 121.38,393.7 ; D123.A12 117.11,56.69 ; D123.A12 117.92,55.88 ; D123.A12 116.3,55.88 ; D123.A12 117.11,55.07 ; D108.A2 239.03,36.37 ; D108.A2 239.03,34.75 ; D108.A2 238.22,35.56 ; D108.A2 239.84,35.56 ; 243.3,35.56 D108.A4 ; D108.A4 244.11,34.75 ; D108.A4 244.92,35.56 ; D108.A4 244.11,36.37 ; D111.A15 242.38,375.92 ; D111.A15 241.57,376.73 ; D111.A15 241.57,375.11 ; D111.A15 240.76,375.92 ; CSDPS226.B2 127.27,353.87 ; CSDPS226.B2 128.08,353.06 ; CSDPS226.B2 127.27,352.25 ; CSDPS226.B2 126.46,353.06 ; D111.A12 250,373.38 ; D111.A12 248.38,373.38 ; D111.A12 249.19,374.19 ; D111.A12 249.19,372.57 ; 46.68,364.64 UHC430.G2_2 ; UHC430.G2_2 45.87,365.45 ; UHC430.G2_2 47.49,365.45 ; UHC430.G2_2 46.68,366.26 ; DPS8.A05 46.8,415.29 ; DPS8.A05 45.18,415.29 ; DPS8.A05 45.99,416.1 ; DPS8.A05 45.99,414.48 ; 172.99,32.21 D104.A5 ; D104.A5 172.99,33.83 ; D104.A5 173.8,33.02 ; D104.A5 172.18,33.02 ; D114.B12 175.53,348.79 ; D114.B12 176.34,347.98 ; D114.B12 175.53,347.17 ; D114.B12 174.72,347.98 ; 277.13,334.47 D109.A1 ; D109.A1 277.13,336.09 ; D109.A1 277.94,335.28 ; D109.A1 276.32,335.28 ; D107.B14 269.51,61.77 ; D107.B14 269.51,60.15 ; D107.B14 270.32,60.96 ; D107.B14 268.7,60.96 ; 89.17,77.93 D122.B1 ; D122.B1 89.17,79.55 ; D122.B1 89.98,78.74 ; D122.B1 88.36,78.74 ; 40.91,400.51 D432.B7 ; D432.B7 41.72,401.32 ; D432.B7 40.91,402.13 ; D432.B7 40.1,401.32 ; 94.25,37.29 D124.B3 ; D124.B3 93.44,38.1 ; D124.B3 94.25,38.91 ; D124.B3 95.06,38.1 ; D112.A13 246.65,397.05 ; D112.A13 245.84,396.24 ; D112.A13 246.65,395.43 ; D112.A13 247.46,396.24 ; 98.52,381 D427.B13 ; D427.B13 99.33,381.81 ; D427.B13 99.33,380.19 ; D427.B13 100.14,381 ; D428.B12 102.68,398.78 ; D428.B12 101.06,398.78 ; D428.B12 101.87,399.59 ; D428.B12 101.87,397.97 ; 127.27,372.57 D227.A2 ; D227.A2 126.46,373.38 ; D227.A2 128.08,373.38 ; D227.A2 127.27,374.19 ; UHC430.G1_13 15.39,358.45 ; UHC430.G1_13 14.58,357.64 ; UHC430.G1_13 13.77,358.45 ; UHC430.G1_13 14.58,359.26 ; 192.5,38.1 D104.B13 ; D104.B13 193.31,37.29 ; D104.B13 194.12,38.1 ; D104.B13 193.31,38.91 ; 106.14,76.2 D122.A8 ; D122.A8 107.76,76.2 ; D122.A8 106.95,77.01 ; D122.A8 106.95,75.39 ; 118.84,78.74 D122.B13 ; D122.B13 120.46,78.74 ; D122.B13 119.65,77.93 ; D122.B13 119.65,79.55 ; D106.A3 242.38,73.66 ; D106.A3 241.57,74.47 ; D106.A3 241.57,72.85 ; D106.A3 240.76,73.66 ; 182.34,93.98 D101.A9 ; D101.A9 183.96,93.98 ; D101.A9 183.15,94.79 ; D101.A9 183.15,93.17 ; 29.94,410.21 DPS8.C11 ; DPS8.C11 30.75,409.4 ; DPS8.C11 31.56,410.21 ; DPS8.C11 30.75,411.02 ; 239.03,95.71 D105.A2 ; D105.A2 239.84,96.52 ; D105.A2 238.22,96.52 ; D105.A2 239.03,97.33 ; 170.45,331.93 D113.A14 ; D113.A14 170.45,333.55 ; D113.A14 171.26,332.74 ; D113.A14 169.64,332.74 ; D108.A5 246.65,33.83 ; D108.A5 246.65,32.21 ; D108.A5 247.46,33.02 ; D108.A5 245.84,33.02 ; 253.46,368.3 D111.B10 ; D111.B10 255.08,368.3 ; D111.B10 254.27,367.49 ; D111.B10 254.27,369.11 ; 103.6,350.52 CSDPS226.C11 ; CSDPS226.C11 105.22,350.52 ; CSDPS226.C11 104.41,349.71 ; CSDPS226.C11 104.41,351.33 ; D107.B10 259.35,61.77 ; D107.B10 258.54,60.96 ; D107.B10 260.16,60.96 ; D107.B10 259.35,60.15 ; D117.A5 25.67,94.79 ; D117.A5 25.67,93.17 ; D117.A5 24.86,93.98 ; D117.A5 26.48,93.98 ; D123.A6 101.87,56.69 ; D123.A6 102.68,55.88 ; D123.A6 101.06,55.88 ; D123.A6 101.87,55.07 ; D110.B16 239.84,347.98 ; D110.B16 239.03,347.17 ; D110.B16 238.22,347.98 ; D110.B16 239.03,348.79 ; D228.A1 129.81,397.05 ; D228.A1 130.62,396.24 ; D228.A1 129.81,395.43 ; D228.A1 129,396.24 ; 19.78,412.75 DPS8.B15 ; DPS8.B15 21.4,412.75 ; DPS8.B15 20.59,413.56 ; DPS8.B15 20.59,411.94 ; D105.A5 247.46,93.98 ; D105.A5 246.65,94.79 ; D105.A5 246.65,93.17 ; D105.A5 245.84,93.98 ; 192.5,53.34 D103.A13 ; D103.A13 194.12,53.34 ; D103.A13 193.31,52.53 ; D103.A13 193.31,54.15 ; D108.A15 272.05,33.83 ; D108.A15 272.05,32.21 ; D108.A15 271.24,33.02 ; D108.A15 272.86,33.02 ; D110.B5 266.97,351.33 ; D110.B5 266.97,349.71 ; D110.B5 267.78,350.52 ; D110.B5 266.16,350.52 ; 195.85,367.49 D115.B4 ; D115.B4 195.85,369.11 ; D115.B4 196.66,368.3 ; D115.B4 195.04,368.3 ; D124.A14 122.19,36.37 ; D124.A14 121.38,35.56 ; D124.A14 123,35.56 ; D124.A14 122.19,34.75 ; 170.45,347.17 D114.B14 ; D114.B14 169.64,347.98 ; D114.B14 170.45,348.79 ; D114.B14 171.26,347.98 ; 17.24,403.86 D432.A16 ; D432.A16 18.86,403.86 ; D432.A16 18.05,404.67 ; D432.A16 18.05,403.05 ; CSDPS426.B4 123,363.22 ; CSDPS426.B4 122.19,362.41 ; CSDPS426.B4 121.38,363.22 ; CSDPS426.B4 122.19,364.03 ; D112.B2 274.59,389.43 ; D112.B2 274.59,387.81 ; D112.B2 275.4,388.62 ; D112.B2 273.78,388.62 ; 112.03,80.47 D122.B10 ; D122.B10 112.03,82.09 ; D122.B10 112.84,81.28 ; D122.B10 111.22,81.28 ; D115.A13 172.99,376.73 ; D115.A13 173.8,375.92 ; D115.A13 172.99,375.11 ; D115.A13 172.18,375.92 ; D232.B12 28.21,389.43 ; D232.B12 29.02,388.62 ; D232.B12 27.4,388.62 ; D232.B12 28.21,387.81 ; 195.85,75.39 D102.A14 ; D102.A14 195.85,77.01 ; D102.A14 195.04,76.2 ; D102.A14 196.66,76.2 ; 33.29,397.97 D432.B10 ; D432.B10 32.48,398.78 ; D432.B10 33.29,399.59 ; D432.B10 34.1,398.78 ; D116.A4 196.66,393.7 ; D116.A4 195.04,393.7 ; D116.A4 195.85,394.51 ; D116.A4 195.85,392.89 ; 38.37,342.09 CSDPS429.B8 ; CSDPS429.B8 39.18,342.9 ; CSDPS429.B8 37.56,342.9 ; CSDPS429.B8 38.37,343.71 ; 117.11,75.39 D122.A12 ; D122.A12 117.11,77.01 ; D122.A12 117.92,76.2 ; D122.A12 116.3,76.2 ; 16.88,364.64 UHC430.G1_2 ; UHC430.G1_2 17.69,365.45 ; UHC430.G1_2 16.07,365.45 ; UHC430.G1_2 16.88,366.26 ; D115.B10 181.42,368.3 ; D115.B10 180.61,369.11 ; D115.B10 179.8,368.3 ; D115.B10 180.61,367.49 ; D121.A8 106.95,97.33 ; D121.A8 106.14,96.52 ; D121.A8 107.76,96.52 ; D121.A8 106.95,95.71 ; D110.A2 275.4,353.06 ; D110.A2 274.59,352.25 ; D110.A2 273.78,353.06 ; D110.A2 274.59,353.87 ; 256,375.92 D111.A9 ; D111.A9 256.81,375.11 ; D111.A9 256.81,376.73 ; D111.A9 257.62,375.92 ; 20.59,93.17 D117.A3 ; D117.A3 19.78,93.98 ; D117.A3 20.59,94.79 ; D117.A3 21.4,93.98 ; 192.5,330.2 D113.B5 ; D113.B5 193.31,329.39 ; D113.B5 194.12,330.2 ; D113.B5 193.31,331.01 ; 256.81,390.35 D112.B9 ; D112.B9 256.81,391.97 ; D112.B9 256,391.16 ; D112.B9 257.62,391.16 ; D227.A17 89.98,375.92 ; D227.A17 88.36,375.92 ; D227.A17 89.17,375.11 ; D227.A17 89.17,376.73 ; D231.B4 48.53,369.11 ; D231.B4 48.53,367.49 ; D231.B4 47.72,368.3 ; D231.B4 49.34,368.3 ; 127.27,362.41 CSDPS426.B2 ; CSDPS426.B2 126.46,363.22 ; CSDPS426.B2 127.27,364.03 ; CSDPS426.B2 128.08,363.22 ; CSDPS426.C1 130.62,360.68 ; CSDPS426.C1 129,360.68 ; CSDPS426.C1 129.81,359.87 ; CSDPS426.C1 129.81,361.49 ; 254.27,55.07 D107.A8 ; D107.A8 254.27,56.69 ; D107.A8 255.08,55.88 ; D107.A8 253.46,55.88 ; 192.5,355.6 D114.A5 ; D114.A5 194.12,355.6 ; D114.A5 193.31,356.41 ; D114.A5 193.31,354.79 ; 192.5,93.98 D101.A13 ; D101.A13 193.31,94.79 ; D101.A13 194.12,93.98 ; D101.A13 193.31,93.17 ; 178.07,411.94 DPS2.B11 ; DPS2.B11 178.07,413.56 ; DPS2.B11 177.26,412.75 ; DPS2.B11 178.88,412.75 ; 32.48,35.56 D120.A8 ; D120.A8 34.1,35.56 ; D120.A8 33.29,36.37 ; D120.A8 33.29,34.75 ; 263.62,373.38 D111.A6 ; D111.A6 265.24,373.38 ; D111.A6 264.43,374.19 ; D111.A6 264.43,372.57 ; 19.78,73.66 D118.A3 ; D118.A3 20.59,74.47 ; D118.A3 20.59,72.85 ; D118.A3 21.4,73.66 ; D110.B11 252.54,350.52 ; D110.B11 251.73,349.71 ; D110.B11 250.92,350.52 ; D110.B11 251.73,351.33 ; 177.26,99.06 D101.B7 ; D101.B7 178.07,98.25 ; D101.B7 178.88,99.06 ; D101.B7 178.07,99.87 ; D118.B7 31.56,78.74 ; D118.B7 30.75,79.55 ; D118.B7 30.75,77.93 ; D118.B7 29.94,78.74 ; 198.39,375.11 D115.A3 ; D115.A3 198.39,376.73 ; D115.A3 197.58,375.92 ; D115.A3 199.2,375.92 ; D102.A12 190.77,77.01 ; D102.A12 189.96,76.2 ; D102.A12 191.58,76.2 ; D102.A12 190.77,75.39 ; 44.72,360.2 UHC430.G2_10 ; UHC430.G2_10 45.53,359.39 ; UHC430.G2_10 45.53,361.01 ; UHC430.G2_10 46.34,360.2 ; D231.A2 53.61,374.19 ; D231.A2 52.8,373.38 ; D231.A2 54.42,373.38 ; D231.A2 53.61,372.57 ; 104.41,359.87 CSDPS426.C11 ; CSDPS426.C11 104.41,361.49 ; CSDPS426.C11 105.22,360.68 ; CSDPS426.C11 103.6,360.68 ; 266.97,77.93 D106.B13 ; D106.B13 266.97,79.55 ; D106.B13 266.16,78.74 ; D106.B13 267.78,78.74 ; 183.15,57.61 D103.B9 ; D103.B9 182.34,58.42 ; D103.B9 183.15,59.23 ; D103.B9 183.96,58.42 ; 55.34,386.08 D431.A1 ; D431.A1 56.15,386.89 ; D431.A1 56.15,385.27 ; D431.A1 56.96,386.08 ; 24.86,375.92 D231.A13 ; D231.A13 25.67,376.73 ; D231.A13 25.67,375.11 ; D231.A13 26.48,375.92 ; 190.77,326.85 D113.B6 ; D113.B6 191.58,327.66 ; D113.B6 190.77,328.47 ; D113.B6 189.96,327.66 ; CSDPS225.B4 122.19,333.55 ; CSDPS225.B4 123,332.74 ; CSDPS225.B4 121.38,332.74 ; CSDPS225.B4 122.19,331.93 ; 14.7,381 D431.B17 ; D431.B17 15.51,380.19 ; D431.B17 16.32,381 ; D431.B17 15.51,381.81 ; 17.24,373.38 D231.A16 ; D231.A16 18.05,374.19 ; D231.A16 18.86,373.38 ; D231.A16 18.05,372.57 ; CSDPS226.B10 107.76,353.06 ; CSDPS226.B10 106.95,353.87 ; CSDPS226.B10 106.95,352.25 ; CSDPS226.B10 106.14,353.06 ; 106.14,373.38 D227.A10 ; D227.A10 106.95,372.57 ; D227.A10 107.76,373.38 ; D227.A10 106.95,374.19 ; D108.B16 275.4,40.64 ; D108.B16 273.78,40.64 ; D108.B16 274.59,41.45 ; D108.B16 274.59,39.83 ; 118.84,330.2 CSDPS225.C5 ; CSDPS225.C5 120.46,330.2 ; CSDPS225.C5 119.65,331.01 ; CSDPS225.C5 119.65,329.39 ; D231.B6 43.45,369.11 ; D231.B6 43.45,367.49 ; D231.B6 44.26,368.3 ; D231.B6 42.64,368.3 ; D232.A9 36.64,396.24 ; D232.A9 35.02,396.24 ; D232.A9 35.83,397.05 ; D232.A9 35.83,395.43 ; 258.54,347.98 D110.B8 ; D110.B8 259.35,348.79 ; D110.B8 260.16,347.98 ; D110.B8 259.35,347.17 ; D431.A4 49.34,383.54 ; D431.A4 47.72,383.54 ; D431.A4 48.53,384.35 ; D431.A4 48.53,382.73 ; UHC430.G2_9 48.64,360.2 ; UHC430.G2_9 47.83,359.39 ; UHC430.G2_9 47.02,360.2 ; UHC430.G2_9 47.83,361.01 ; CSDPS426.C13 99.33,361.49 ; CSDPS426.C13 99.33,359.87 ; CSDPS426.C13 98.52,360.68 ; CSDPS426.C13 100.14,360.68 ; D117.B4 23.94,101.6 ; D117.B4 23.13,100.79 ; D117.B4 22.32,101.6 ; D117.B4 23.13,102.41 ; D231.B16 18.86,368.3 ; D231.B16 18.05,369.11 ; D231.B16 18.05,367.49 ; D231.B16 17.24,368.3 ; D428.B5 119.65,402.13 ; D428.B5 119.65,400.51 ; D428.B5 120.46,401.32 ; D428.B5 118.84,401.32 ; 273.78,96.52 D105.A16 ; D105.A16 275.4,96.52 ; D105.A16 274.59,97.33 ; D105.A16 274.59,95.71 ; D116.B16 166.18,388.62 ; D116.B16 164.56,388.62 ; D116.B16 165.37,389.43 ; D116.B16 165.37,387.81 ; D122.A1 89.17,74.47 ; D122.A1 88.36,73.66 ; D122.A1 89.17,72.85 ; D122.A1 89.98,73.66 ; D112.B12 250,388.62 ; D112.B12 248.38,388.62 ; D112.B12 249.19,389.43 ; D112.B12 249.19,387.81 ; 28.21,382.73 D431.A12 ; D431.A12 27.4,383.54 ; D431.A12 28.21,384.35 ; D431.A12 29.02,383.54 ; D105.A4 244.11,97.33 ; D105.A4 244.11,95.71 ; D105.A4 244.92,96.52 ; D105.A4 243.3,96.52 ; D114.B13 172.99,351.33 ; D114.B13 172.18,350.52 ; D114.B13 172.99,349.71 ; D114.B13 173.8,350.52 ; D108.B8 254.27,41.45 ; D108.B8 255.08,40.64 ; D108.B8 254.27,39.83 ; D108.B8 253.46,40.64 ; 254.27,352.25 D110.A10 ; D110.A10 253.46,353.06 ; D110.A10 254.27,353.87 ; D110.A10 255.08,353.06 ; D118.A6 29.02,76.2 ; D118.A6 28.21,77.01 ; D118.A6 27.4,76.2 ; D118.A6 28.21,75.39 ; 197.58,350.52 D114.B3 ; D114.B3 198.39,349.71 ; D114.B3 198.39,351.33 ; D114.B3 199.2,350.52 ; 124.73,390.35 D228.B3 ; D228.B3 123.92,391.16 ; D228.B3 124.73,391.97 ; D228.B3 125.54,391.16 ; 103.6,93.98 D121.A7 ; D121.A7 104.41,93.17 ; D121.A7 105.22,93.98 ; D121.A7 104.41,94.79 ; 113.76,391.16 D228.B7 ; D228.B7 115.38,391.16 ; D228.B7 114.57,391.97 ; D228.B7 114.57,390.35 ; 101.87,372.57 D227.A12 ; D227.A12 102.68,373.38 ; D227.A12 101.87,374.19 ; D227.A12 101.06,373.38 ; 256.81,98.25 D105.B9 ; D105.B9 257.62,99.06 ; D105.B9 256,99.06 ; D105.B9 256.81,99.87 ; 183.15,395.43 D116.A9 ; D116.A9 183.96,396.24 ; D116.A9 183.15,397.05 ; D116.A9 182.34,396.24 ; CSDPS225.C11 104.41,331.01 ; CSDPS225.C11 103.6,330.2 ; CSDPS225.C11 104.41,329.39 ; CSDPS225.C11 105.22,330.2 ; D123.A10 112.03,56.69 ; D123.A10 112.84,55.88 ; D123.A10 112.03,55.07 ; D123.A10 111.22,55.88 ; 16.88,354.48 UHC230.G4_2 ; UHC230.G4_2 17.69,355.29 ; UHC230.G4_2 16.88,356.1 ; UHC230.G4_2 16.07,355.29 ; D228.B1 129.81,391.97 ; D228.B1 129.81,390.35 ; D228.B1 130.62,391.16 ; D228.B1 129,391.16 ; D112.A7 262.7,396.24 ; D112.A7 261.08,396.24 ; D112.A7 261.89,395.43 ; D112.A7 261.89,397.05 ; D105.B12 265.24,101.6 ; D105.B12 264.43,100.79 ; D105.B12 264.43,102.41 ; D105.B12 263.62,101.6 ; D232.A6 43.45,394.51 ; D232.A6 44.26,393.7 ; D232.A6 42.64,393.7 ; D232.A6 43.45,392.89 ; D101.B11 188.23,99.87 ; D101.B11 189.04,99.06 ; D101.B11 187.42,99.06 ; D101.B11 188.23,98.25 ; D115.B8 186.5,368.3 ; D115.B8 185.69,369.11 ; D115.B8 184.88,368.3 ; D115.B8 185.69,367.49 ; DPS3.B05 99.33,17.32 ; DPS3.B05 99.33,15.7 ; DPS3.B05 100.14,16.51 ; DPS3.B05 98.52,16.51 ; D106.B4 244.92,81.28 ; D106.B4 244.11,80.47 ; D106.B4 243.3,81.28 ; D106.B4 244.11,82.09 ; D227.B16 91.71,369.11 ; D227.B16 90.9,368.3 ; D227.B16 92.52,368.3 ; D227.B16 91.71,367.49 ; D428.A9 110.3,406.4 ; D428.A9 109.49,405.59 ; D428.A9 109.49,407.21 ; D428.A9 108.68,406.4 ; D123.B4 96.79,61.77 ; D123.B4 96.79,60.15 ; D123.B4 97.6,60.96 ; D123.B4 95.98,60.96 ; 117.11,39.83 D124.B12 ; D124.B12 116.3,40.64 ; D124.B12 117.11,41.45 ; D124.B12 117.92,40.64 ; D107.A13 266.97,54.15 ; D107.A13 266.16,53.34 ; D107.A13 267.78,53.34 ; D107.A13 266.97,52.53 ; 272.05,375.11 D111.A3 ; D111.A3 272.86,375.92 ; D111.A3 272.05,376.73 ; D111.A3 271.24,375.92 ; D105.A1 237.3,93.98 ; D105.A1 236.49,93.17 ; D105.A1 235.68,93.98 ; D105.A1 236.49,94.79 ; 235.68,38.1 D108.B1 ; D108.B1 236.49,37.29 ; D108.B1 237.3,38.1 ; D108.B1 236.49,38.91 ; 258.54,373.38 D111.A8 ; D111.A8 259.35,374.19 ; D111.A8 259.35,372.57 ; D111.A8 260.16,373.38 ; D117.B3 21.4,99.06 ; D117.B3 19.78,99.06 ; D117.B3 20.59,98.25 ; D117.B3 20.59,99.87 ; D115.A10 180.61,374.19 ; D115.A10 180.61,372.57 ; D115.A10 181.42,373.38 ; D115.A10 179.8,373.38 ; 198.39,329.39 D113.B3 ; D113.B3 197.58,330.2 ; D113.B3 199.2,330.2 ; D113.B3 198.39,331.01 ; D119.B6 29.02,60.96 ; D119.B6 28.21,61.77 ; D119.B6 27.4,60.96 ; D119.B6 28.21,60.15 ; 94.25,400.51 D428.B15 ; D428.B15 95.06,401.32 ; D428.B15 94.25,402.13 ; D428.B15 93.44,401.32 ; 268.7,393.7 D112.A4 ; D112.A4 269.51,394.51 ; D112.A4 269.51,392.89 ; D112.A4 270.32,393.7 ; 24.86,58.42 D119.B5 ; D119.B5 25.67,59.23 ; D119.B5 25.67,57.61 ; D119.B5 26.48,58.42 ; D116.B14 171.26,388.62 ; D116.B14 170.45,387.81 ; D116.B14 169.64,388.62 ; D116.B14 170.45,389.43 ; D114.B11 178.07,351.33 ; D114.B11 178.88,350.52 ; D114.B11 177.26,350.52 ; D114.B11 178.07,349.71 ; 24.86,99.06 D117.B5 ; D117.B5 25.67,99.87 ; D117.B5 25.67,98.25 ; D117.B5 26.48,99.06 ; D231.A5 46.8,375.92 ; D231.A5 45.99,375.11 ; D231.A5 45.18,375.92 ; D231.A5 45.99,376.73 ; UHC430.G1_4 18.84,363.7 ; UHC430.G1_4 17.22,363.7 ; UHC430.G1_4 18.03,362.89 ; UHC430.G1_4 18.03,364.51 ; D101.A7 178.88,93.98 ; D101.A7 177.26,93.98 ; D101.A7 178.07,94.79 ; D101.A7 178.07,93.17 ; 239.03,60.15 D107.B2 ; D107.B2 239.03,61.77 ; D107.B2 239.84,60.96 ; D107.B2 238.22,60.96 ; D432.A3 51.07,407.21 ; D432.A3 50.26,406.4 ; D432.A3 51.07,405.59 ; D432.A3 51.88,406.4 ; D111.B11 251.73,371.65 ; D111.B11 252.54,370.84 ; D111.B11 251.73,370.03 ; D111.B11 250.92,370.84 ; 167.91,411.94 DPS2.B15 ; DPS2.B15 167.91,413.56 ; DPS2.B15 168.72,412.75 ; DPS2.B15 167.1,412.75 ; 169.64,60.96 D103.B4 ; D103.B4 170.45,61.77 ; D103.B4 171.26,60.96 ; D103.B4 170.45,60.15 ; 249.19,75.39 D106.A6 ; D106.A6 250,76.2 ; D106.A6 248.38,76.2 ; D106.A6 249.19,77.01 ; D105.B2 239.84,101.6 ; D105.B2 239.03,102.41 ; D105.B2 238.22,101.6 ; D105.B2 239.03,100.79 ; CSDPS225.B10 106.95,333.55 ; CSDPS225.B10 106.95,331.93 ; CSDPS225.B10 107.76,332.74 ; CSDPS225.B10 106.14,332.74 ; D122.A4 96.79,77.01 ; D122.A4 96.79,75.39 ; D122.A4 97.6,76.2 ; D122.A4 95.98,76.2 ; 14.7,73.66 D118.A1 ; D118.A1 15.51,72.85 ; D118.A1 16.32,73.66 ; D118.A1 15.51,74.47 ; D102.B8 180.61,82.09 ; D102.B8 181.42,81.28 ; D102.B8 180.61,80.47 ; D102.B8 179.8,81.28 ; 179.8,393.7 D116.A10 ; D116.A10 180.61,394.51 ; D116.A10 180.61,392.89 ; D116.A10 181.42,393.7 ; 116.3,398.78 D428.B6 ; D428.B6 117.92,398.78 ; D428.B6 117.11,399.59 ; D428.B6 117.11,397.97 ; D121.A14 122.19,97.33 ; D121.A14 123,96.52 ; D121.A14 121.38,96.52 ; D121.A14 122.19,95.71 ; D227.B4 122.19,369.11 ; D227.B4 121.38,368.3 ; D227.B4 122.19,367.49 ; D227.B4 123,368.3 ; 24.86,391.16 D232.B13 ; D232.B13 25.67,391.97 ; D232.B13 25.67,390.35 ; D232.B13 26.48,391.16 ; D427.B15 94.25,381.81 ; D427.B15 93.44,381 ; D427.B15 94.25,380.19 ; D427.B15 95.06,381 ; 91.71,331.93 CSDPS225.B16 ; CSDPS225.B16 90.9,332.74 ; CSDPS225.B16 91.71,333.55 ; CSDPS225.B16 92.52,332.74 ; D118.A11 41.72,73.66 ; D118.A11 40.91,74.47 ; D118.A11 40.91,72.85 ; D118.A11 40.1,73.66 ; CSDPS229.B14 23.13,333.55 ; CSDPS229.B14 23.13,331.93 ; CSDPS229.B14 